# Altium PCB ZYNQ_JTY_16CH.PcbDoc (part 1 of 5) (continued)
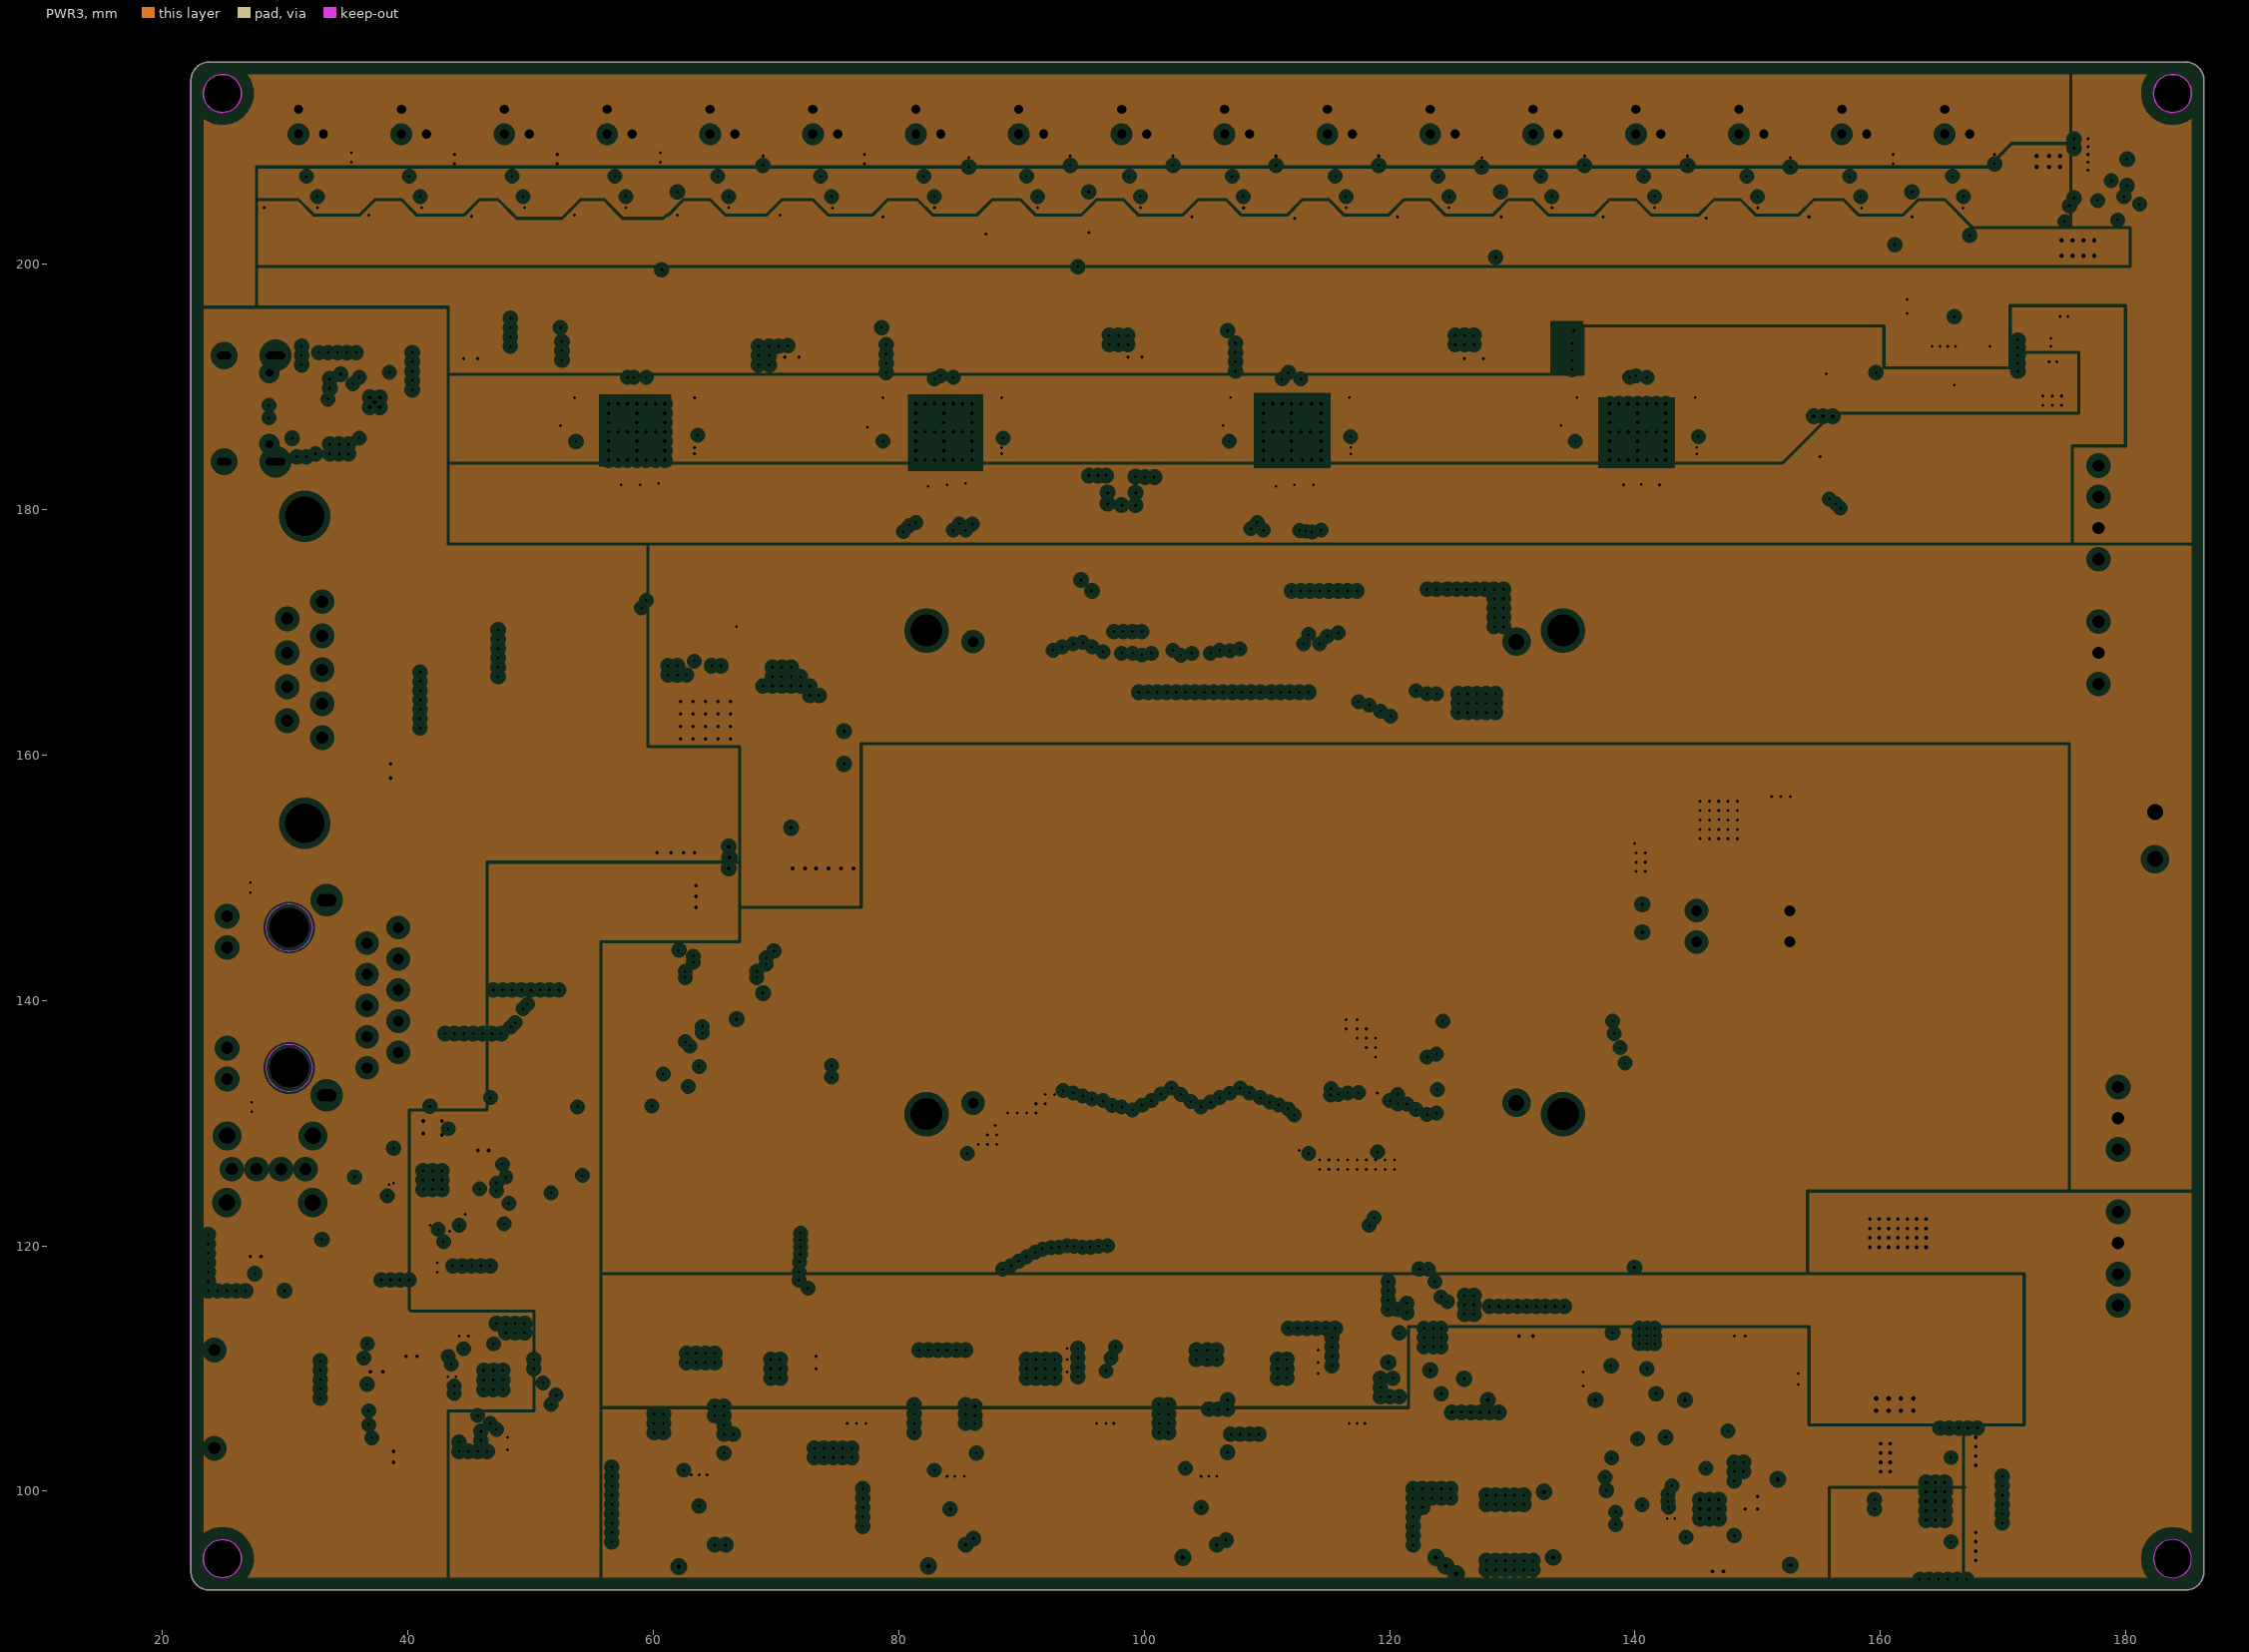
[diagram p3: PWR3, clearances drawn from the general rule]

## Layer stack, top to bottom
Top Solder: solder mask 0.0102, Solder Resist, Dk 3.5
Top1: signal copper 0.0356
Dielectric 2: prepreg 0.0711, PP-006, Dk 4.1
GND2: plane copper 0.0175, net (Multiple Nets)
Dielectric 1: dielectric 0.32, FR-4, Dk 4.8
PWR3: plane copper 0.0175, net (Multiple Nets)
Dielectric 3: prepreg 0.0711, PP-006, Dk 4.1
Bottom4: signal copper 0.0356
Bottom Solder: solder mask 0.0102, Solder Resist, Dk 3.5

## Board outline
23.852,91.948 cw(c23.852,93.448) 22.352,93.448 22.352,214.948 cw(c23.852,214.948) 23.852,216.448 184.852,216.448 cw(c184.852,214.948) 186.352,214.948 186.352,93.448 cw(c184.852,93.448) 184.852,91.948
cut-out: 24.913,212.337 cw(c24.913,213.887) 23.363,213.887 cw(c24.913,213.887) 24.913,215.437 cw(c24.913,213.887) 26.463,213.887 cw(c24.913,213.887)
cut-out: 183.792,212.337 cw(c183.792,213.887) 182.242,213.887 cw(c183.792,213.887) 183.792,215.437 cw(c183.792,213.887) 185.342,213.887 cw(c183.792,213.887)
cut-out: 182.242,94.509 ccw(c183.792,94.509) 183.792,92.959 ccw(c183.792,94.509) 185.342,94.509 ccw(c183.792,94.509) 183.792,96.059 ccw(c183.792,94.509)
cut-out: 24.913,92.959 cw(c24.913,94.509) 23.363,94.509 cw(c24.913,94.509) 24.913,96.059 cw(c24.913,94.509) 26.463,94.509 cw(c24.913,94.509)

## Design rules (kind name [scope] priority, off if disabled: settings)
Clearance Clearance_Polygon_keepout [OnLayer('Keep-Out Layer') vs InPolygon] p1: gap=0.254 ignorepadtopadclearanceinfootprint=TRUE
Clearance Clearance_Polygon [InPolygon] p2: gap=0.203 ignorepadtopadclearanceinfootprint=TRUE
Clearance [All] p3: gap=0.152 ignorepadtopadclearanceinfootprint=TRUE
ComponentClearance [All] p1: gap=0.025 collisioncheckmode=3 verticalgap=0.025 showdistances=FALSE
DiffPairsRouting DiffPair_90OhmDiffPairsRouting [InDifferentialPairClass('90Ohm')] p1: maxlimit=0.257 minlimit=0.251 mostfreqgap=0.254 toplayer_minwidth=0.16 toplayer_maxwidth=0.168 toplayer_prefwidth=0.165 bottomlayer_minwidth=0.16 bottomlayer_maxwidth=0.168 bottomlayer_prefwidth=0.165 maxuncoupledlength=12.7
DiffPairsRouting DiffPair_100OhmDiffPairsRouting [InDifferentialPairClass('100Ohm')] p2: maxlimit=0.259 minlimit=0.249 mostfreqgap=0.254 toplayer_minwidth=0.127 toplayer_maxwidth=0.133 toplayer_prefwidth=0.131 bottomlayer_minwidth=0.127 bottomlayer_maxwidth=0.133 bottomlayer_prefwidth=0.131 maxuncoupledlength=12.7
HoleSize [All] p1: absolutevalues=TRUE maxlimit=5.055 minlimit=0.025 maxpercent=80.000 minpercent=20.000
HoleToHoleClearance [All] p1: gap=0.127 allowstackedmicrovias=TRUE
MatchedLengths DiffPair_90OhmMatchedLengths [InDifferentialPairClass('90Ohm')] p1: tolerance=25.4 checknetsindiffpair=FALSE checkdiffpairvsdiffpair=TRUE checkxsignals=TRUE checkothers=TRUE
MatchedLengths DiffPair_100OhmMatchedLengths [InDifferentialPairClass('100Ohm')] p2: tolerance=25.4 checknetsindiffpair=FALSE checkdiffpairvsdiffpair=TRUE checkxsignals=TRUE checkothers=TRUE
PlaneClearance [All] p1: clearance=0.508
PlaneConnect [All] p1: planeconnectstyle=Direct reliefexpansion=0.508 reliefentries=4 reliefconductorwidth=0.254 reliefairgap=0.254
PolygonConnect [All] p1: connectstyle=Direct reliefconductorwidth=0.254 reliefentries=4 polygonreliefangle="90 Angle" airgapwidth=0.254
RoutingVias [All] p1: holewidth=0.152 width=0.254 viastyle="Through Hole" minholewidth=0.152 minwidth=0.254 maxholewidth=0.381 maxwidth=0.711
SolderMaskExpansion SolderMaskExpansion_Via [IsVia] p1: expansion=0.102 istentingtop=TRUE
SolderMaskExpansion [All] p2: expansion=0.051 istentingtop=FALSE
UnRoutedNet [All] p1: checkbadconnections=TRUE
Width Width_PWR [InNetClass('PWR')] p1: maxlimit=0.508 minlimit=0.203 preferedwidth=0.203
Width [All] p2: maxlimit=0.254 minlimit=0.152 preferedwidth=0.152
23 further rules are at their usual default settings.

## Classes and differential pairs
differential pair class 100Ohm: PHY1_MDI0 PHY1_MDI1 PHY1_MDI2 PHY1_MDI3
differential pair class 90Ohm: OTG_D
component class "Room Definition 41": C243 C244 C251 C252 C255 C256 R157 R159 U49 USB_UART1
component class "Room Definition 40": C249 R147 R148 R149 R150 U47
component class "Room Definition 39": C57 C58 C59 R53 U19
component class "Room Definition 38": C89 C90 C91 C92 C93 C96 C97 C98 C99 C100 C101 C102 C103 C104 C105 R56 R57 U17
component class "Room Definition 37": C106 C107 C108 C109 C110 C111 C112 C113 C114 C115 C123 C124 C127 C128 C129 R59 R60 U18
component class "Room Definition 36": C60 C61 C62 C63 C64 C77 C78 C79 C80 C81 C82 C83 C84 C85 C86 R54 R55 U16
component class "Room Definition 35": C52 C53 C54 C55 C56 C67 C68 C69 C70 C71 C72 C73 C74 C75 C76 R51 R52 U15
component class "Room Definition 34": C32 C33 C37 C40 C41 C43 C44 C45 C51 L3 R31 R32 R34 R35 R36 R37 R38 R39 R41 R42 R43 R44 R46 R47 R48 R49 U12
component class "Room Definition 33": C32 C33 C37 C40 C41 C43 C44 C45 C51 L3 R31 R32 R34 R35 R36 R37 R38 R42 R43 R44 R46 R47 R48 R49 U12
component class "Room Definition 32": C31 C34 C35 C36 C38 C39 L1 R33 R40 U10 U11
component class "Room Definition 31": C42 C46 C47 C48 C49 C50 L2 R45 R50 U13 U14
component class "Room Definition 30": C1 C2 C3 C4 C5 C6 C7 C8 C9 C10 R6 R7 R8 R9 R10 R11 R12 R13 U1 U2 U3
component class "Room Definition 29": C1 C2 C3 C4 C5 C6 C7 C8 C9 C10 R6 R7 R8 R9 R10 R11 R12 R13 U1 U3
component class "Room Definition 28": C11 C12 C13 C14 C15 C16 C17 C18 C19 C20 R15 R16 R17 R18 R19 R20 R21 R22 U4 U5 U6
component class "Room Definition 27": C21 C22 C23 C24 C25 C26 C27 C28 C29 C30 R23 R24 R25 R26 R27 R28 R29 R30 U7 U8 U9
component class "Room Definition 26": C221 C222 C223 C224 C225 R131 R132 R133 R134 R135 R136 V5
component class "Room Definition 25": C211 C212 C213 C214 C215 C216 C262 C263 R118 R119 R123 R124 R126 V6
component class "Room Definition 24": C226 C227 C228 C229 C230 R137 R138 V8
component class "Room Definition 23": C205 C206 C207 C208 C209 C210 R116 R117 R120 R121 V4
component class "Room Definition 22": C198 C199 C200 C201 C202 C203 LED2 R112 R113 R114 R115 R163
component class "Room Definition 21": C198 C199 C200 C201 C202 C203 R112 R113 R114 R115
component class "Room Definition 20": C204 C217 C218 C219 C220 L4 R122 R125 R128 R129 R130 V7
component class "Room Definition 19": C130 C131 C132 C133 C134 C135 C136 C137 C138 C139 C140 C141 C142 C143 C144 C145 C146 C147 C148 C149 C150 C151 C152 C153 C154 C155 C156 C157 C158 C159 C160 C161 C162 C163 C164 C165 C166 C167 C168 C169 C170 C171 C172 C173 C174 C175 C176 C177 C178 C179 C180 C181 C182 C183 C184 C185 C186 C187 C188 C189 C190 C191 C192 C193 C194 C195 C196 C197 P9 PW1 PW2 PW3 PW4 PX1 PX2 PX3 PX4 PY1 PY2 PY3 PY4 PZ1 PZ2 PZ3 PZ4 R61 R62 R63 R64 R65 R66 R67 R68 R69 R70 R71 R72 R73 R74 R75 R76 R77 R78 R79 R80 R81 R82 R83 R84 R85 R86 R87 R88 R89 R90 R91 R92 R93 R94 R95 R96 R97 R98 R99 R100 R101 R102 R103 R104 R105 R106 R107 R108 R109 R110 R111 U25 U26 U27 U28 U29 U30 U31 U32 U33 U34 U35 U36 U37 U38 U39 U40 U41
component class "Room Definition 18": C194 C195 C196 C197 P9 R109 R110 R111 U41
component class "Room Definition 17": C181 C185 C192 C193 PW4 R100 R104 R108 U40
component class "Room Definition 16": C165 C169 C176 C177 PW3 R88 R92 R96 U36
component class "Room Definition 15": C149 C153 C160 C161 PW2 R76 R80 R84 U32
component class "Room Definition 14": C133 C137 C144 C145 PW1 R64 R68 R72 U28
component class "Room Definition 13": C180 C184 C190 C191 PZ4 R99 R103 R107 U39
component class "Room Definition 12": C164 C168 C174 C175 PZ3 R87 R91 R95 U35
component class "Room Definition 11": C148 C152 C158 C159 PZ2 R75 R79 R83 U31
component class "Room Definition 10": C132 C136 C142 C143 PZ1 R63 R67 R71 U27
component class "Room Definition 9": C179 C183 C188 C189 PY4 R98 R102 R106 U38
component class "Room Definition 8": C163 C167 C172 C173 PY3 R86 R90 R94 U34
component class "Room Definition 7": C147 C151 C156 C157 PY2 R74 R78 R82 U30
component class "Room Definition 6": C131 C135 C138 C139 PY1 R62 R66 R70 U26
component class "Room Definition 5": C178 C182 C186 C187 PX4 R97 R101 R105 U37
component class "Room Definition 4": C162 C166 C170 C171 PX3 R85 R89 R93 U33
component class "Room Definition 3": C130 C134 C140 C141 PX1 R61 R65 R69 U25
component class "Room Definition 2": C146 C150 C154 C155 PX2 R73 R77 R81 U29
component class "Room Definition 1": C134 PX1 R65 R69 U25
net class PWR: +1.8V +3V3 +3V3_S7500 +5_7020 +5V_S7500 +A3V3_PD +A4_PD +A5_PD +A9_S7500 +D2V5_PD +D9 -5V_S7500 -A4_PD AGND1 AGND2 GAIN GND LEFT PHASE RIGHT SOA TEC+ TEC- USB_5V USB_VBUS VUSB
component class USB_HOST: C231 C232 C233 C234 C235 C236 C237 C238 C239 C240 C241 C242 R139 R140 R141 R142 R143 R144 R145 R146 U45 U46 USB1 X1
component class S7500_Drv: C1 C2 C3 C4 C5 C6 C7 C8 C9 C10 C11 C12 C13 C14 C15 C16 C17 C18 C19 C20 C21 C22 C23 C24 C25 C26 C27 C28 C29 C30 C31 C32 C33 C34 C35 C36 C37 C38 C39 C40 C41 C42 C43 C44 C45 C46 C47 C48 C49 C50 C51 L1 L2 L3 R6 R7 R8 R9 R10 R11 R12 R13 R14 R15 R16 R17 R18 R19 R20 R21 R22 R23 R24 R25 R26 R27 R28 R29 R30 R31 R32 R33 R34 R35 R36 R37 R38 R39 R40 R41 R42 R43 R44 R45 R46 R47 R48 R49 R50 U1 U2 U3 U4 U5 U6 U7 U8 U9 U10 U11 U12 U13 U14
component class PWR: C198 C199 C200 C201 C202 C203 C204 C205 C206 C207 C208 C209 C210 C211 C212 C213 C214 C215 C216 C217 C218 C219 C220 C221 C222 C223 C224 C225 C226 C227 C228 C229 C230 C261 DC_IN E1 E2 E3 E4 E5 E6 E7 E8 E10 L4 LED2 R112 R113 R114 R115 R116 R117 R118 R119 R120 R121 R122 R123 R124 R125 R126 R128 R129 R130 R131 R132 R133 R134 R135 R136 R137 R138 R163 V1 V3 V4 V5 V6 V7 V8
component class PD: C52 C53 C54 C55 C56 C57 C58 C59 C60 C61 C62 C63 C64 C65 C66 C67 C68 C69 C70 C71 C72 C73 C74 C75 C76 C77 C78 C79 C80 C81 C82 C83 C84 C85 C86 C87 C88 C89 C90 C91 C92 C93 C94 C95 C96 C97 C98 C99 C100 C101 C102 C103 C104 C105 C106 C107 C108 C109 C110 C111 C112 C113 C114 C115 C116 C117 C118 C119 C120 C121 C122 C123 C124 C125 C126 C127 C128 C129 C130 C131 C132 C133 C134 C135 C136 C137 C138 C139 C140 C141 C142 C143 C144 C145 C146 C147 C148 C149 C150 C151 C152 C153 C154 C155 C156 C157 C158 C159 C160 C161 C162 C163 C164 C165 C166 C167 C168 C169 C170 C171 C172 C173 C174 C175 C176 C177 C178 C179 C180 C181 C182 C183 C184 C185 C186 C187 C188 C189 C190 C191 C192 C193 C194 C195 C196 C197 P9 PW1 PW2 PW3 PW4 PX1 PX2 PX3 PX4 PY1 PY2 PY3 PY4 PZ1 PZ2 PZ3 PZ4 R51 R52 R53 R54 R55 R56 R57 R58 R59 R60 R61 R62 R63 R64 R65 R66 R67 R68 R69 R70 R71 R72 R73 R74 R75 R76 R77 R78 R79 R80 R81 R82 R83 R84 R85 R86 R87 R88 R89 R90 R91 R92 R93 R94 R95 R96 R97 R98 R99 R100 R101 R102 R103 R104 R105 R106 R107 R108 R109 R110 R111 U15 U16 U17 U18 U19 U20 U21 U22 U23 U24 U25 U26 U27 U28 U29 U30 U31 U32 U33 U34 U35 U36 U37 U38 U39 U40 U41
component class NET&232&USART&SD&FLASH: 232 C243 C244 C245 C246 C247 C248 C249 C250 C251 C252 C253 C254 C255 C256 C257 C258 C259 C260 GE_PS1 R147 R148 R149 R150 R151 R152 R153 R154 R155 R156 R157 R158 R159 R160 R161 R162 SD1 U47 U48 U49 U50 U51 U52 USB_UART1
component class CORE: BOOT_CFG LED1 R1 R2 R3 R4 R5
differential pair PHY1_MDI3: +PHY1_MDI3_P -PHY1_MDI3_N
differential pair PHY1_MDI2: +PHY1_MDI2_P -PHY1_MDI2_N
differential pair PHY1_MDI1: +PHY1_MDI1_P -PHY1_MDI1_N
differential pair PHY1_MDI0: +PHY1_MDI0_P -PHY1_MDI0_N
differential pair OTG_D: +OTG_D_P -OTG_D_N

## Components (designator, comment, footprint, x,y, rotation, side; value= is the part's Value field where it differs from the comment)
232 "DSUB-9" DB-9-H 28.373,166.932 r270 top (schematic designator J1)
7020 "ZYNQ7010&7020" ZYNQ7010&7020_CB 122.554,166.869 r180 top
BOOT_CFG "DIP-SW-2P" "SW DIP-2P" 148.817,146.023 r90 top (schematic designator SW1)
C1 "104" C0402_L 87.953,105.791 r180 top
C2 "10P" C0402_L 88.265,102.696 r90 top
C3 "104" C0402_L 91.821,105.087 r270 top
C4 "104" C0402_L 92.964,105.087 r270 top
C5 "104" C0402_L 83.439,106.68 r180 top
C6 "104" C0402_L 95.25,105.087 r90 top
C7 "104" C0402_L 84.005,95.631 r180 top
C8 "22uf/10V" C0402_L 84.623,117.094 r0 top
C9 "104" C0402_L 82.931,104.775 r0 top
C10 "104" C0402_L 94.107,105.087 r90 top
C11 "104" C0402_L 108.4,105.791 r180 top
C12 "104" C0402_L 112.268,105.087 r270 top
C13 "10P" C0402_L 108.712,102.743 r90 top
C14 "104" C0402_L 113.411,105.087 r270 top
C15 "104" C0402_L 103.886,106.68 r180 top
C16 "104" C0402_L 115.697,105.087 r90 top
C17 "104" C0402_L 104.452,95.631 r180 top
C18 "22uf/10V" C0402_L 105.07,117.094 r0 top
C19 "104" C0402_L 103.378,104.775 r0 top
C20 "104" C0402_L 114.554,105.087 r90 top
C21 "104" C0402_L 67.506,105.791 r180 top
C22 "104" C0402_L 71.374,105.087 r270 top
C23 "104" C0402_L 72.517,105.087 r270 top
C24 "10P" C0402_L 67.818,102.699 r90 top
C25 "104" C0402_L 62.992,106.68 r180 top
C26 "104" C0402_L 74.803,105.087 r90 top
C27 "104" C0402_L 63.558,95.631 r180 top
C28 "22uf/10V" C0402_L 64.176,117.094 r0 top
C29 "104" C0402_L 62.484,104.775 r0 top
C30 "104" C0402_L 73.66,105.087 r90 top
C31 "104" C0402_L 121.285,116.644 r90 top
C32 "47N" C0402_L 141.732,99.891 r270 top
C33 "470N" C0402_L 146.304,106.045 r0 top
C34 "104" C0402_L 122.047,108.712 r90 top
C35 "104" C0402_L 124.841,108.712 r90 top
C36 "104" C0402_L 126.873,113.215 r270 top
C37 "10u" C0402_L 139.319,101.473 r180 top
C38 "104" C0402_L 135.763,111.252 r270 top
C39 "104" C0402_L 126.873,111.194 r90 top
C40 "104" C0402_L 141.732,97.917 r270 top
C41 "104" C0402_L 144.018,93.977 r90 top
C42 "104" C0402_L 138.786,116.644 r90 top
C43 "104" C0402_L 151.638,99.822 r180 top
C44 "104" C0402_L 151.638,98.679 r180 top
C45 "104" C0402_L 149.987,101.415 r270 top
C46 "104" C0402_L 139.548,108.712 r90 top
C47 "104" C0402_L 142.342,108.712 r90 top
C48 "104" C0402_L 144.374,113.215 r270 top
C49 "104" C0402_L 153.264,111.252 r270 top
C50 "104" C0402_L 144.374,111.194 r90 top
C51 "22uf/10V" C0402_L 148.209,93.922 r90 top
C52 "10u" C0805_L 51.501,185.547 r180 bottom
C53 "10u" C0805_L 56.388,193.167 r90 bottom
C54 "10u" C0805_L 60.452,193.167 r90 bottom
C55 "10u" C0805_L 65.593,186.69 r0 bottom
C56 "1u" C0805_L 58.42,193.167 r270 bottom
C57 "10u" C0805_L 156.972,193.101 r90 top
C58 "1u" C0402_L 155.321,192.278 r90 top
C59 "1u" C0402_L 154.559,183.769 r180 bottom
C60 "10u" C0805_L 76.52,185.547 r180 bottom
C61 "10u" C0805_L 81.407,193.167 r90 bottom
C62 "10u" C0805_L 85.471,193.167 r90 bottom
C63 "10u" C0805_L 90.612,186.69 r0 bottom
C64 "1u" C0805_L 83.439,193.167 r270 bottom
C65 "104" C0402_L 51.308,192.347 r270 top
C66 "104" C0402_L 77.851,192.278 r270 top
C67 "104" C0402_L 64.643,189.103 r0 bottom
C68 "104" C0402_L 64.712,183.896 r0 bottom
C69 "104" C0402_L 64.712,182.753 r0 bottom
C70 "104" C0402_L 52.351,189.103 r180 bottom
C71 "10u" C0402_L 64.643,190.246 r0 bottom
C72 "10u" C0402_L 64.712,185.039 r0 bottom
C73 "10u" C0402_L 52.351,190.246 r180 bottom
C74 "10u" C0402_L 64.712,181.483 r0 bottom
C75 "104" C0402_L 56.965,181.229 r180 bottom
C76 "104" C0402_L 60.891,181.229 r0 bottom
C77 "104" C0402_L 89.662,189.103 r0 bottom
C78 "104" C0402_L 89.731,183.896 r0 bottom
C79 "104" C0402_L 89.731,182.753 r0 bottom
C80 "104" C0402_L 77.37,189.103 r180 bottom
C81 "10u" C0402_L 89.662,190.246 r0 bottom
C82 "10u" C0402_L 89.731,185.039 r0 bottom
C83 "10u" C0402_L 77.37,190.246 r180 bottom
C84 "10u" C0402_L 89.731,181.483 r0 bottom
C85 "104" C0402_L 81.984,181.229 r180 bottom
C86 "104" C0402_L 85.91,181.229 r0 bottom
C87 "104" C0402_L 133.858,192.024 r270 top
C88 "104" C0402_L 105.918,192.209 r270 top
C89 "10u" C0805_L 104.841,185.547 r180 bottom
C90 "10u" C0805_L 109.728,193.167 r90 bottom
C91 "10u" C0805_L 113.792,193.167 r90 bottom
C92 "10u" C0805_L 118.933,186.69 r0 bottom
C93 "1u" C0805_L 111.76,193.167 r270 bottom
C94 "104" C0402_L 51.308,194.31 r90 top
C95 "104" C0402_L 45.593,193.871 r90 top
C96 "104" C0402_L 117.983,189.103 r0 bottom
C97 "104" C0402_L 118.052,183.896 r0 bottom
C98 "104" C0402_L 118.052,182.753 r0 bottom
C99 "104" C0402_L 105.691,189.103 r180 bottom
C100 "10u" C0402_L 117.983,190.246 r0 bottom
C101 "10u" C0402_L 118.052,185.039 r0 bottom
C102 "10u" C0402_L 105.691,190.246 r180 bottom
C103 "10u" C0402_L 118.052,181.483 r0 bottom
C104 "104" C0402_L 110.305,181.229 r180 bottom
C105 "104" C0402_L 114.231,181.229 r0 bottom
C106 "104" C0402_L 146.238,189.103 r0 bottom
C107 "104" C0402_L 146.307,183.896 r0 bottom
C108 "104" C0402_L 146.307,182.753 r0 bottom
C109 "104" C0402_L 133.946,189.103 r180 bottom
C110 "10u" C0402_L 146.238,190.246 r0 bottom
C111 "10u" C0402_L 146.307,185.039 r0 bottom
C112 "10u" C0402_L 133.946,190.246 r180 bottom
C113 "10u" C0402_L 146.307,181.483 r0 bottom
C114 "104" C0402_L 138.56,181.229 r180 bottom
C115 "104" C0402_L 142.486,181.229 r0 bottom
C116 "104" C0402_L 77.851,194.31 r90 top
C117 "104" C0402_L 71.882,193.802 r90 top
C118 "104" C0402_L 105.918,194.183 r90 top
C119 "104" C0402_L 100.076,193.871 r90 top
C120 "104" C0402_L 161.798,194.183 r0 top
C121 "104" C0402_L 133.858,194.056 r90 top
C122 "104" C0402_L 128.27,193.675 r90 top
C123 "10u" C0805_L 133.096,185.547 r180 bottom
C124 "10u" C0805_L 137.983,193.167 r90 bottom
C125 "104" C0402_L 159.824,194.183 r180 top
C126 "104" C0402_L 160.147,188.341 r180 top
C127 "10u" C0805_L 142.047,193.167 r90 bottom
C128 "10u" C0805_L 147.188,186.69 r0 bottom
C129 "1u" C0805_L 140.015,193.167 r270 bottom
C130 "10P" C0402_L 33.401,205.994 r270 bottom
C131 "10P" C0402_L 66.929,205.994 r270 bottom
C132 "10P" C0402_L 100.457,205.994 r270 bottom
C133 "10P" C0402_L 133.985,205.994 r270 bottom
C134 "220P" C0402_L 32.708,200.533 r180 top
C135 "220P" C0402_L 66.236,200.533 r180 top
C136 "220P" C0402_L 99.764,200.533 r180 top
C137 "220P" C0402_L 133.292,200.533 r180 top
C138 "104" C0402_L 65.405,204.089 r270 bottom
C139 "104" C0402_L 66.929,204.089 r270 bottom
C140 "104" C0402_L 31.877,204.089 r270 bottom
C141 "104" C0402_L 33.401,204.089 r270 bottom
C142 "104" C0402_L 98.933,204.089 r270 bottom
C143 "104" C0402_L 100.457,204.089 r270 bottom
C144 "104" C0402_L 132.461,204.089 r270 bottom
C145 "104" C0402_L 133.985,204.089 r270 bottom
C146 "10P" C0402_L 41.783,205.994 r270 bottom
C147 "10P" C0402_L 75.311,205.994 r270 bottom
C148 "10P" C0402_L 108.839,205.994 r270 bottom
C149 "10P" C0402_L 142.367,205.994 r270 bottom
C150 "220P" C0402_L 41.09,200.533 r180 top
C151 "220P" C0402_L 74.618,200.533 r180 top
C152 "220P" C0402_L 108.146,200.533 r180 top
C153 "220P" C0402_L 141.674,200.533 r180 top
C154 "104" C0402_L 40.259,204.089 r270 bottom
C155 "104" C0402_L 41.783,204.089 r270 bottom
C156 "104" C0402_L 73.787,204.089 r270 bottom
C157 "104" C0402_L 75.311,204.089 r270 bottom
C158 "104" C0402_L 107.315,204.089 r270 bottom
C159 "104" C0402_L 108.839,204.089 r270 bottom
C160 "104" C0402_L 140.843,204.089 r270 bottom
C161 "104" C0402_L 142.367,204.089 r270 bottom
C162 "10P" C0402_L 50.165,205.994 r270 bottom
C163 "10P" C0402_L 83.693,205.994 r270 bottom
C164 "10P" C0402_L 117.221,205.994 r270 bottom
C165 "10P" C0402_L 150.749,205.994 r270 bottom
C166 "220P" C0402_L 49.472,200.533 r180 top
C167 "220P" C0402_L 83,200.533 r180 top
C168 "220P" C0402_L 116.528,200.533 r180 top
C169 "220P" C0402_L 150.056,200.533 r180 top
C170 "104" C0402_L 48.641,204.089 r270 bottom
C171 "104" C0402_L 50.165,204.089 r270 bottom
C172 "104" C0402_L 82.169,204.089 r270 bottom
C173 "104" C0402_L 83.693,204.089 r270 bottom
C174 "104" C0402_L 115.697,204.089 r270 bottom
C175 "104" C0402_L 117.221,204.089 r270 bottom
C176 "104" C0402_L 149.225,204.089 r270 bottom
C177 "104" C0402_L 150.749,204.089 r270 bottom
C178 "10P" C0402_L 58.547,205.994 r270 bottom
C179 "10P" C0402_L 92.075,205.994 r270 bottom
C180 "10P" C0402_L 125.603,205.994 r270 bottom
C181 "10P" C0402_L 159.131,205.994 r270 bottom
C182 "220P" C0402_L 57.854,200.533 r180 top
C183 "220P" C0402_L 91.382,200.533 r180 top
C184 "220P" C0402_L 124.91,200.533 r180 top
C185 "220P" C0402_L 158.438,200.533 r180 top
C186 "104" C0402_L 57.023,204.089 r270 bottom
C187 "104" C0402_L 58.547,204.089 r270 bottom
C188 "104" C0402_L 90.551,204.089 r270 bottom
C189 "104" C0402_L 92.075,204.089 r270 bottom
C190 "104" C0402_L 124.079,204.089 r270 bottom
C191 "104" C0402_L 125.603,204.089 r270 bottom
C192 "104" C0402_L 157.607,204.089 r270 bottom
C193 "104" C0402_L 159.131,204.089 r270 bottom
C194 "10P" C0402_L 167.513,205.994 r270 bottom
C195 "220P" C0402_L 166.82,200.533 r180 top
C196 "104" C0402_L 165.989,204.089 r270 bottom
C197 "104" C0402_L 167.513,204.089 r270 bottom
C198 "10u" C0402_L 62.796,150.241 r180 top
C199 "10u" C0402_L 62.796,152.781 r180 top
C200 "10n" C0402_L 62.796,153.924 r180 top
C201 "10n" C0402_L 64.77,148.394 r270 top
C202 "1u" C0402_L 69.019,151.257 r90 top
C203 "104" C0402_L 70.162,151.257 r90 top
C204 "10P" C0402_L 64.516,168.996 r270 top
C205 "10u" C0402_L 174.44,194.564 r0 top
C206 "10u" C0402_L 174.879,191.262 r0 top